# Altium PCB MillingLight.PcbDoc
Units mm, origin at the board's own origin, x right, y up, seen from the top; angles counter-clockwise.
Board outline 122 x 104 mm, 2 copper layers (Top Layer, Bottom Layer); 59 components, 51 nets, 126 pads, 0 vias.
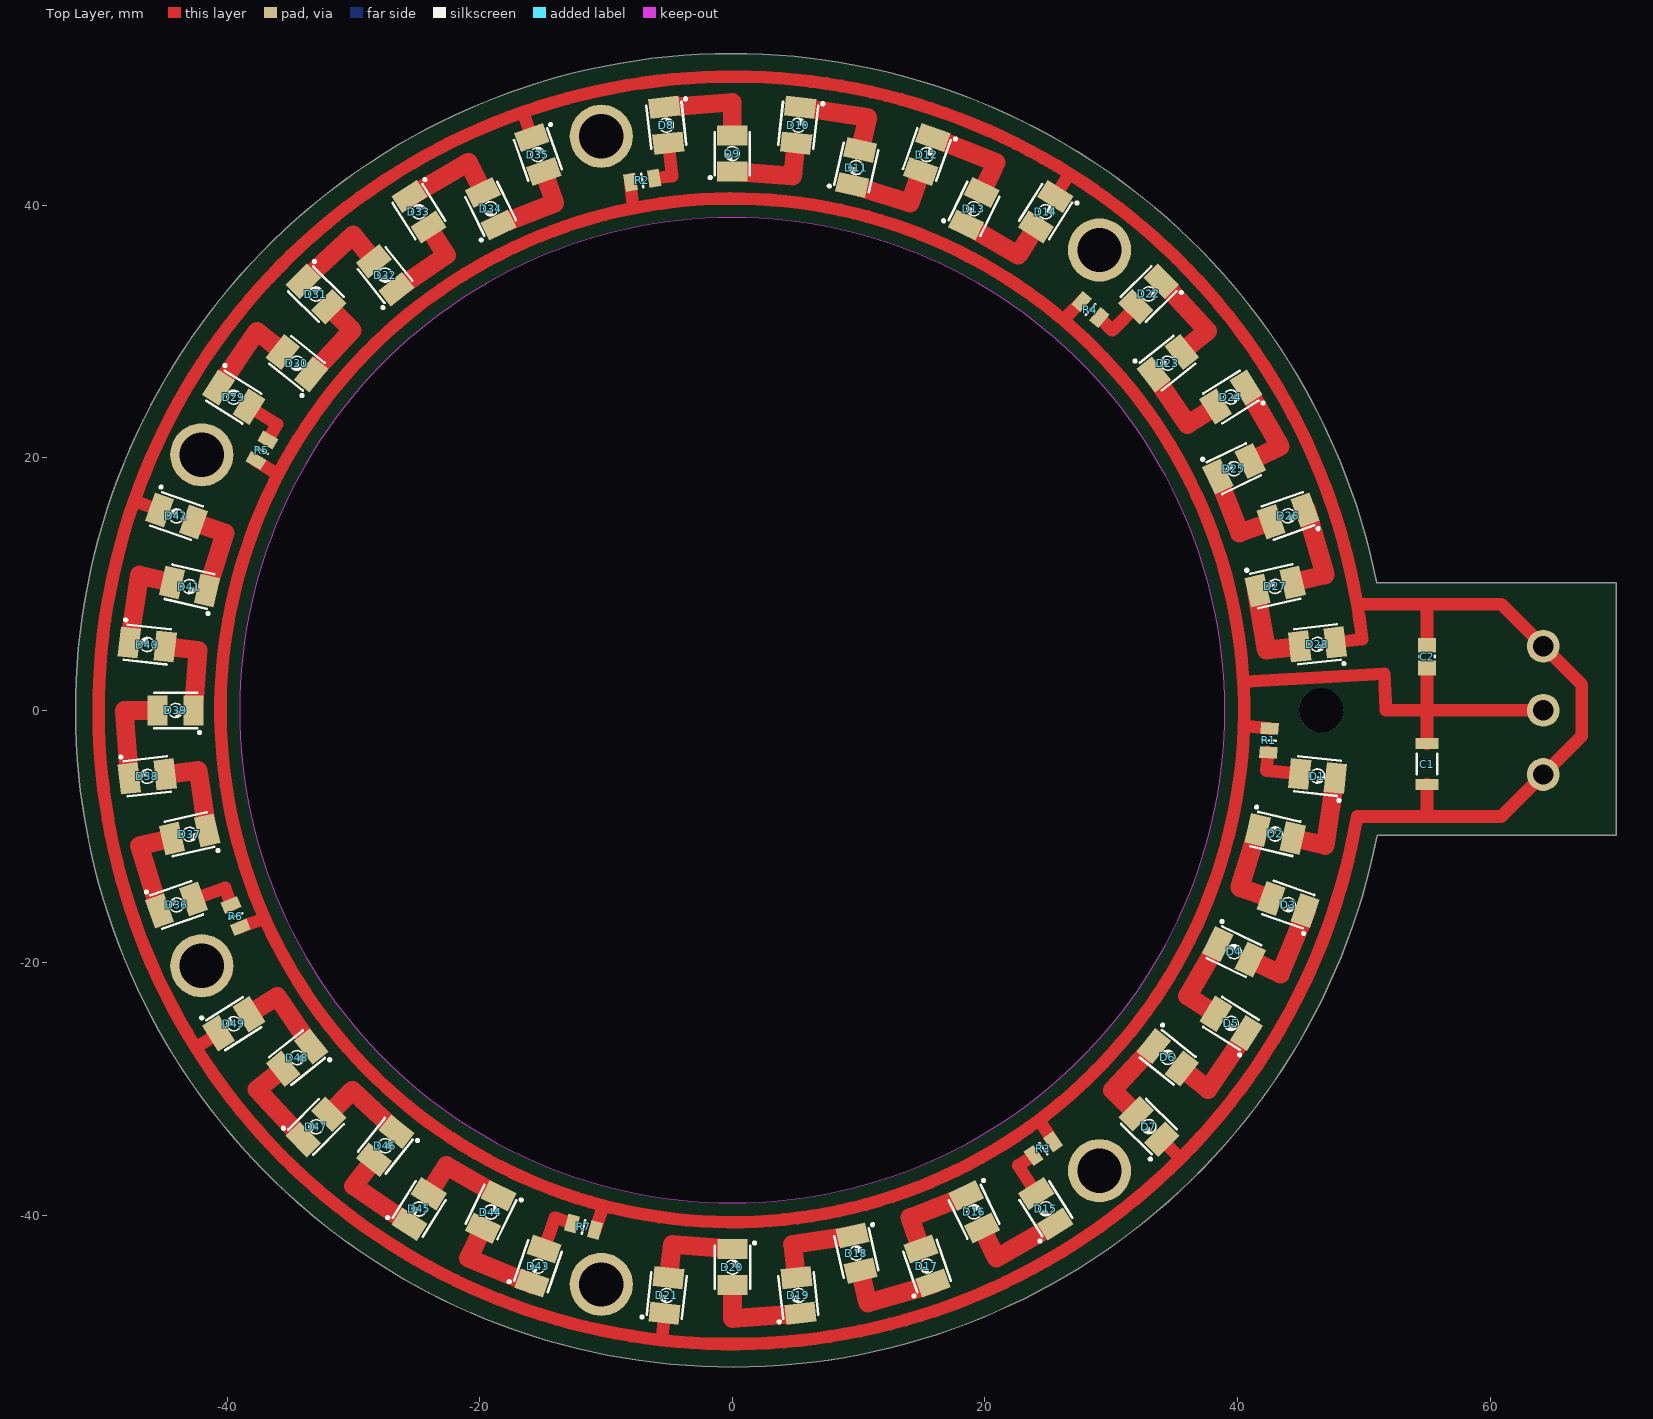
[diagram p0: Top Layer view]
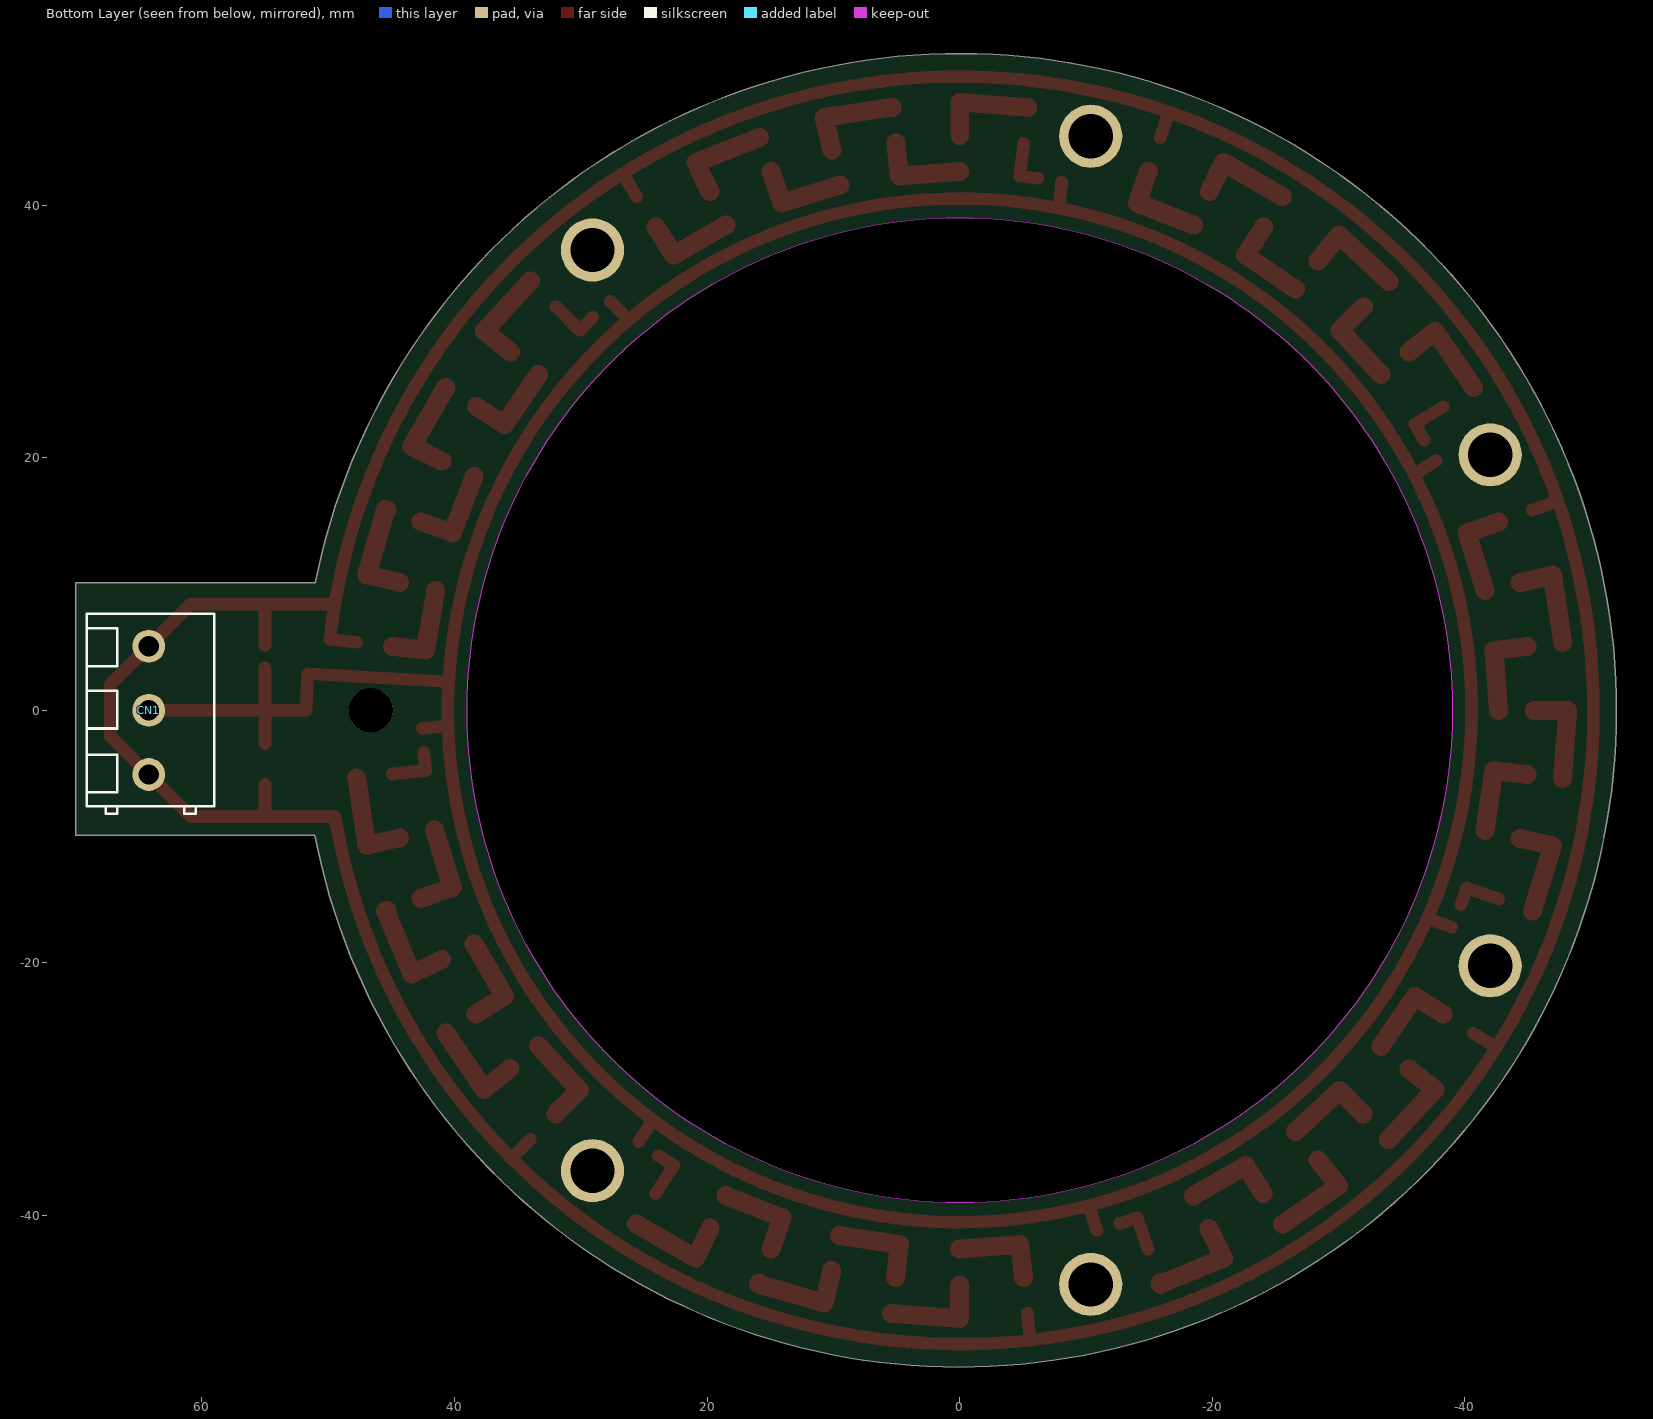
[diagram p1: Bottom Layer view, seen from below]

## Layer stack, top to bottom
Top Solder: solder mask 0.0102, Solder Resist, Dk 3.5
Top Layer: signal copper 0.0356
Dielectric 1: dielectric 0.32, FR-4, Dk 4.8
Bottom Layer: signal copper 0.0356
Bottom Solder: solder mask 0.0102, Solder Resist, Dk 3.5

## Board outline
51.049,-9.9 cw(c0,0) 51.01,10.097 51.025,10.1 70,10.1 70,-9.9
cut-out: 0,39 ccw(c0,0) -39,0 ccw(c0,0) 0,-39 ccw(c0,0) 39,0 ccw(c0,0)

## Design rules (kind name [scope] priority, off if disabled: settings)
Clearance [All] p1: gap=0.254 ignorepadtopadclearanceinfootprint=FALSE except(0: Arc-Hole Track-Hole SMDPad-Hole THPad-Hole Via-Hole Fill-Hole Poly-Hole Region-Hole Text-Hole)
ComponentClearance [All] p1: gap=0.124 collisioncheckmode=3 verticalgap=0.124 showdistances=FALSE
PolygonConnect [All] p1: connectstyle=Relief reliefconductorwidth=0.254 reliefentries=4 polygonreliefangle="90 Angle" airgapwidth=0.254
RoutingVias [All] p1: holewidth=0.711 width=1.27 viastyle="Through Hole" minholewidth=0.711 minwidth=1.27 maxholewidth=0.711 maxwidth=1.27
SolderMaskExpansion [All] p1: expansion=0.102
Width [All] p1: maxlimit=2 minlimit=0.254 preferedwidth=0.254
29 further rules are at their usual default settings.

## Components (designator, comment, footprint, x,y, rotation, side; value= is the part's Value field where it differs from the comment)
C1 "CAP" CAPC3216X18N 55,-4.25 r90 top
C2 "CAP" CAPC2012X125N 55,4.25 r270 top
CN1 "CN_1X3F" CN_WURTH_691216510003 64.2,5.08 r270 bottom
D1 "DIO_LED" DIO_Kento_KT-SMD3528-W 46.329,-5.201 r173.6 top locked
D2 "DIO_LED" DIO_Kento_KT-SMD3528-W 42.979,-9.791 r347.17 top locked
D3 "DIO_LED" DIO_Kento_KT-SMD3528-W 44.01,-15.38 r160.74 top locked
D4 "DIO_LED" DIO_Kento_KT-SMD3528-W 39.722,-19.11 r334.31 top locked
D5 "DIO_LED" DIO_Kento_KT-SMD3528-W 39.484,-24.788 r147.88 top locked
D6 "DIO_LED" DIO_Kento_KT-SMD3528-W 34.473,-27.471 r321.45 top locked
D7 "DIO_LED" DIO_Kento_KT-SMD3528-W 32.977,-32.953 r135.02 top locked
D8 "DIO_LED" DIO_Kento_KT-SMD3528-W -5.225,46.326 r276.43 top locked
D9 "DIO_LED" DIO_Kento_KT-SMD3528-W -0.005,44.08 r90.01 top locked
D10 "DIO_LED" DIO_Kento_KT-SMD3528-W 5.215,46.327 r263.58 top locked
D11 "DIO_LED" DIO_Kento_KT-SMD3528-W 9.805,42.976 r77.15 top locked
D12 "DIO_LED" DIO_Kento_KT-SMD3528-W 15.394,44.005 r250.72 top locked
D13 "DIO_LED" DIO_Kento_KT-SMD3528-W 19.123,39.716 r64.29 top locked
D14 "DIO_LED" DIO_Kento_KT-SMD3528-W 24.801,39.476 r237.86 top locked
D15 "DIO_LED" DIO_Kento_KT-SMD3528-W 24.817,-39.466 r122.16 top locked
D16 "DIO_LED" DIO_Kento_KT-SMD3528-W 19.139,-39.708 r295.73 top locked
D17 "DIO_LED" DIO_Kento_KT-SMD3528-W 15.412,-43.999 r109.31 top locked
D18 "DIO_LED" DIO_Kento_KT-SMD3528-W 9.823,-42.972 r282.88 top locked
D19 "DIO_LED" DIO_Kento_KT-SMD3528-W 5.235,-46.325 r96.45 top locked
D20 "DIO_LED" DIO_Kento_KT-SMD3528-W 0.014,-44.08 r270.02 top locked
D21 "DIO_LED" DIO_Kento_KT-SMD3528-W -5.206,-46.328 r83.59 top locked
D22 "DIO_LED" DIO_Kento_KT-SMD3528-W 32.964,32.967 r225 top locked
D23 "DIO_LED" DIO_Kento_KT-SMD3528-W 34.462,27.485 r38.57 top locked
D24 "DIO_LED" DIO_Kento_KT-SMD3528-W 39.473,24.805 r212.15 top locked
D25 "DIO_LED" DIO_Kento_KT-SMD3528-W 39.714,19.127 r25.72 top locked
D26 "DIO_LED" DIO_Kento_KT-SMD3528-W 44.003,15.399 r199.29 top locked
D27 "DIO_LED" DIO_Kento_KT-SMD3528-W 42.975,9.809 r12.86 top locked
D28 "DIO_LED" DIO_Kento_KT-SMD3528-W 46.327,5.22 r186.43 top locked
D29 "DIO_LED" DIO_Kento_KT-SMD3528-W -39.479,24.797 r327.87 top locked
D30 "DIO_LED" DIO_Kento_KT-SMD3528-W -34.468,27.478 r141.44 top locked
D31 "DIO_LED" DIO_Kento_KT-SMD3528-W -32.97,32.96 r315.01 top locked
D32 "DIO_LED" DIO_Kento_KT-SMD3528-W -27.489,34.459 r128.58 top locked
D33 "DIO_LED" DIO_Kento_KT-SMD3528-W -24.809,39.471 r302.15 top locked
D34 "DIO_LED" DIO_Kento_KT-SMD3528-W -19.131,39.712 r115.72 top locked
D35 "DIO_LED" DIO_Kento_KT-SMD3528-W -15.403,44.002 r289.29 top locked
D36 "DIO_LED" DIO_Kento_KT-SMD3528-W -44,-15.408 r19.3 top locked
D37 "DIO_LED" DIO_Kento_KT-SMD3528-W -42.973,-9.818 r192.87 top locked
D38 "DIO_LED" DIO_Kento_KT-SMD3528-W -46.326,-5.23 r6.44 top locked
D39 "DIO_LED" DIO_Kento_KT-SMD3528-W -44.08,-0.009 r180.01 top locked
D40 "DIO_LED" DIO_Kento_KT-SMD3528-W -46.328,5.21 r353.58 top locked
D41 "DIO_LED" DIO_Kento_KT-SMD3528-W -42.977,9.8 r167.15 top locked
D42 "DIO_LED" DIO_Kento_KT-SMD3528-W -44.007,15.389 r340.73 top locked
D43 "DIO_LED" DIO_Kento_KT-SMD3528-W -15.385,-44.008 r70.73 top locked
D44 "DIO_LED" DIO_Kento_KT-SMD3528-W -19.114,-39.72 r244.3 top locked
D45 "DIO_LED" DIO_Kento_KT-SMD3528-W -24.792,-39.481 r57.87 top locked
D46 "DIO_LED" DIO_Kento_KT-SMD3528-W -27.474,-34.471 r231.44 top locked
D47 "DIO_LED" DIO_Kento_KT-SMD3528-W -32.957,-32.974 r45.01 top locked
D48 "DIO_LED" DIO_Kento_KT-SMD3528-W -34.456,-27.492 r218.59 top locked
D49 "DIO_LED" DIO_Kento_KT-SMD3528-W -39.468,-24.813 r32.16 top locked
R1 "RES" RESC2012X60N 42.489,-2.386 r266.79 top
R2 "RES" RESC2012X60N -7.128,41.955 r9.64 top
R3 "RES" RESC2012X60N 24.626,-34.707 r215.36 top
R4 "RES" RESC2012X60N 28.357,31.732 r318.21 top
R5 "RES" RESC2012X60N -37.246,20.585 r59.88 top
R6 "RES" RESC2012X60N -39.317,-16.285 r112.5 top
R7 "RES" RESC2012X60N -11.781,-40.893 r163.93 top

## Footprints (in the part's own frame and the unit in brackets; to place one, negate y for a bottom-side part, rotate by r counter-clockwise, add the part's x,y. Pads: shape width x height; smd on the part's side, far side on the other; paste and mask are expansions set on the pad)
CAPC2012X125N [mm]
  rect 1.15x1.45 smd: 1(-0.9,0) 2(0.9,0)
  silkscreen extent -0.05,-0.62 0.05,0.63, body extent -1.1,-0.72 1.1,0.73, height 1.25
CAPC3216X18N [mm] "Chip Capacitor, 2-Leads, Body 3,20x1,60mm, IPC Medium Density"
  rect 0.9x1.8 smd: 1(-1.625,0) 2(1.625,0)
  silkscreen extent -0.8,-0.8 0.8,0.8, body extent -1.7,-0.9 1.7,0.9, height 1.8
CN_WURTH_691216510003 [mm]
  round 2.6 hole 1.6: 1(0,0) 2(5.08,0) 3(10.16,0)
  silkscreen extent -2.58,-4.9 13.26,5.2, body extent -2.58,-4.9 13.26,5.2, height 13.8
DIO_Kento_KT-SMD3528-W [mm]
  rect 1.6x2.4 smd: 1(-1.425,0) 2(1.425,0)
  silkscreen extent -1.96,-1.4 1.7,1.8, body extent -1.75,-1.4 1.75,1.4, height 1.85
RESC2012X60N [mm]
  rect 0.95x1.4 smd: 1(-0.95,0) 2(0.95,0)
  silkscreen extent 0,-0.55 0,0.55, body extent -1,-0.62 1,0.63, height 0.6

## Part data
C1: library part 01_01488, "CAP, MLCC, X5R, 10UF, 50V, 1206", Manufacturer=Murata, Manufacturer PN=GRM31CR61H106KA12L, Supplier Part Number 1=1845762, Value1=10u, Value2=50V, AutoId=1488, ComponentLink1Description=Datasheet, ComponentLink1URL=X:\01_dataSheets\CAP_MURATA_GRM.pdf, DeviceType=capacitor, Id=01_01488, MountType=SMD, Status="0 - Unchecked", SubType=Ceramic, Supplier 1=Farnell
C2: library part 01_01396, "X7R 10% 0805", Manufacturer=KEMET, Manufacturer PN=C0805C105K5RACTU, Supplier Part Number 1=2118131, Value1=1u, Value2=50V, AutoId=1396, ComponentLink1Description=Datasheet, ComponentLink1URL=X:\01_Datasheets\CAP_KEMET_CxxxxCxxxXxRAC.pdf, DeviceType=capacitor, Id=01_01396, MountType=SMT, Status="2 - Checked and Approved", SubType=Ceramic, Supplier 1=Farnell
CN1: library part 02_00091, "WURTH ELEKTRONIK 691216510003 - T/BLOCK, 5,08mm 3W", Manufacturer=Wurth, Manufacturer PN=691216510003, Supplier Part Number 1=1841253, Value1="3 pin", AutoId=91, ComponentLink1Description=Datasheet, ComponentLink1URL=X:\01_dataSheets\CN_WURTH_69121651000x.pdf, ComponentLink2Description=ComponentVerificationSheet, ComponentLink2URL=X:\02_ComponentVerificationSheets\, DeviceType=Connector_3, Id=02_00091, MountType=THT, Status="0 - Unchecked", Supplier 1=Farnell
D1 D2 D3 D4 D5 D6 D7 D8 D9 D10 D11 D12 D13 D14 D15 D16 D17 D18 D19 D20 D21 D22 D23 D24 D25 D26 D27 D28 D29 D30 D31 D32 D33 D34 D35 D36 D37 D38 D39 D40 D41 D42 D43 D44 D45 D46 D47 D48 D49: library part 03_00093, "High Luminous PLCC2 Power Top SMD LED", Manufacturer=Kento, Manufacturer PN=KT-SMD3528-W, Supplier Part Number 1=86399, Value2="2,8..3,5V  2000...2200 mcd", Value3=LED, AutoId=109, ComponentLink1Description=Datasheet, ComponentLink1URL=X:\01_Datasheets\, ComponentLink2Description=ComponentVerificationSheet, ComponentLink2URL=X:\02_ComponentVerificationSheets\, DeviceType=diode, Id=03_00093, MountType=SMD, Status="0 - Unchecked", SubType=LED, Supplier 1=rcs, Value1=KT-SMD3528-W
R1 R2 R3 R4 R5 R6 R7: library part 15_00305, "RESISTOR, 0805, 10R, 1%, SMD", Manufacturer=Yageo, Manufacturer PN=RC0805FR-0710R, Value1=10R, Value2=0W125, AutoId=305, ComponentLink1Description=Datasheet, ComponentLink1URL=X:\01_Datasheets\RES_YAGEO_RC0805FR.pdf, DeviceType=resistor, Id=15_00305, MountType=SMT, Status="0 - Unchecked", SubType="Metal film", Supplier 1=Farnell

## Free pads (board coordinates)
  round 5 hole 3.5: ""(-42.003,-20.228) ""(-42.003,20.228) ""(-10.374,-45.451) ""(-10.374,45.451) ""(29.067,-36.449) ""(29.067,36.449)
  round 3.5 hole 3.5: ""(46.62,0)

## Nets (pads, with @x,y where several pads share a name; then routed paths per layer and width w, separated by ;. In a path a pad name is that pad's centre, name@x,y a point inside that pad or via, vN(x,y) a via of type N, cw(c..) or ccw(c..) an arc to the next point about the centre after c; other vN are vias at no path point)
GND: C1.1 C2.1 CN1.1 CN1.3 D7.1 D14.1 D21.1 D28.1 D35.1 D42.1 D49.1 | length 367.1
  Top Layer w1: D42.1 -47.363,16.563 ; D49.1 -42.479,-26.706 ; D35.1 -16.578,47.358 ; D21.1 -5.603,-49.862 ; D14.1 26.692,42.487 ; D7.1 35.493,-35.467 ; D28.1 49.86,5.618 ccw(c0,0) 49.467,8.405 ; C1.1 55,-8.155 54.75,-8.405 ; C2.1 55,8.405 ; CN1.3@64.35,-5.23 CN1.3@64.5,-5.08 ; -47.363,16.563 cw(c0,0) -16.578,47.358 ; -47.363,16.563 ccw(c0,0) -42.479,-26.706 ; -42.479,-26.706 ccw(c0,0) -5.603,-49.862 ; -16.578,47.358 cw(c0,0) 26.692,42.487 ; -5.603,-49.862 ccw(c0,0) 35.493,-35.467 ; 26.692,42.487 cw(c0,0) 49.467,8.405 ; 35.493,-35.467 ccw(c0,0) 49.467,-8.405 54.75,-8.405 ; 49.467,8.405 55,8.405 ; 54.75,-8.405 60.875,-8.405 CN1.3 67.25,-2.03 67.25,2.03 CN1.1 60.875,8.405 55,8.405
NetD1_1: D1.1 D2.2 | length 8
  Top Layer w1.5: D2.2 46.941,-10.694 D1.1
NetD1_2: D1.2 R1.2 | length 4.1
  Top Layer w1: R1.2 42.288,-4.765 D1.2
NetD2_1: D2.1 D3.2 | length 7.4
  Top Layer w1.5: D2.1 40.173,-14.039 D3.2
NetD3_1: D3.1 D4.2 | length 8.1
  Top Layer w1.5: D4.2 43.384,-20.872 45.446,-15.888 45.449,-15.883 D3.1
NetD4_1: D4.1 D5.2 | length 7.4
  Top Layer w1.5: D5.2 36.042,-22.627 D4.1
NetD5_1: D5.1 D6.2 | length 8
  Top Layer w1.5: D6.2 37.652,-30.003 D5.1
NetD6_1: D6.1 D7.2 | length 7.4
  Top Layer w1.5: D7.2 30.103,-30.081 D6.1
NetD8_1: D8.1 D9.2 | length 8
  Top Layer w1.5: D8.1 -0.005,48.144 D9.2
NetD8_2: D8.2 R2.2 | length 4.1
  Top Layer w1: R2.2 -4.765,42.288 D8.2
NetD9_1: D9.1 D10.2 | length 7.4
  Top Layer w1.5: D9.1 4.761,42.289 D10.2
NetD10_1: D10.1 D11.2 | length 8
  Top Layer w1.5: D10.1 10.709,46.938 D11.2
NetD11_1: D11.1 D12.2 | length 7.4
  Top Layer w1.5: D11.1 14.052,40.169 D12.2
NetD12_1: D12.1 D13.2 | length 7.9
  Top Layer w1.5: D12.1 20.886,43.378 20.665,42.92 D13.2@19.784,41.089
NetD13_1: D13.1 D14.2 | length 7.4
  Top Layer w1.5: D13.1 22.639,36.035 D14.2
NetD15_1: D15.1 D16.2 | length 8
  Top Layer w1.5: D16.2 20.683,-42.911 20.904,-43.369 D15.1
NetD15_2: D15.2 R3.2 | length 4.1
  Top Layer w1: R3.2 22.641,-36.033 D15.2
NetD16_1: D16.1 D17.2 | length 7.4
  Top Layer w1.5: D17.2 14.069,-40.163 D16.1
NetD17_1: D17.1 D18.2 | length 8.1
  Top Layer w1.5: D18.2 10.728,-46.933 15.911,-45.439 15.916,-45.437 D17.1
NetD18_1: D18.1 D19.2 | length 7.4
  Top Layer w1.5: D19.2 4.778,-42.287 D18.1
NetD19_1: D19.1 D20.2 | length 8
  Top Layer w1.5: D20.2 0.015,-48.144 D19.1
NetD20_1: D20.1 D21.2 | length 7.4
  Top Layer w1.5: D21.2 -4.752,-42.29 D20.1
NetD22_1: D22.1 D23.2 | length 8
  Top Layer w1.5: D22.1 37.639,30.019 D23.2
NetD22_2: D22.2 R4.2 | length 4.1
  Top Layer w1: R4.2 30.08,30.084 D22.2
NetD23_1: D23.1 D24.2 | length 7.4
  Top Layer w1.5: D23.1 36.032,22.643 D24.2
NetD24_1: D24.1 D25.2 | length 8
  Top Layer w1.5: D24.1 43.376,20.89 42.918,20.67 D25.2
NetD25_1: D25.1 D26.2 | length 7.4
  Top Layer w1.5: D25.1 40.168,14.056 D26.2
NetD26_1: D26.1 D27.2 | length 8.1
  Top Layer w1.5: D27.2 46.937,10.714 45.444,15.897 45.442,15.902 D26.1
NetD27_1: D27.1 D28.2 | length 7.4
  Top Layer w1.5: D27.1@41.489,9.47 42.288,4.765 D28.2
NetD29_1: D29.1 D30.2 | length 8
  Top Layer w1.5: D29.1 -37.645,30.011 D30.2
NetD29_2: D29.2 R5.2 | length 4.1
  Top Layer w1: D29.2 -36.033,22.641 R5.2
NetD30_1: D30.1 D31.2 | length 7.4
  Top Layer w1.5: D30.1 -30.096,30.087 D31.2
NetD31_1: D31.1 D32.2 | length 8
  Top Layer w1.5: D31.1 -30.023,37.636 D32.2
NetD32_1: D32.1 D33.2 | length 7.4
  Top Layer w1.5: D32.1 -22.646,36.03 D33.2
NetD33_1: D33.1 D34.2 | length 7.9
  Top Layer w1.5: D33.1 -20.895,43.373 -20.674,42.916 D34.2@-19.792,41.085
NetD34_1: D34.1 D35.2 | length 7.4
  Top Layer w1.5: D34.1 -14.06,40.166 D35.2
NetD36_1: D36.1 D37.2 | length 8
  Top Layer w1.5: D36.1 -46.935,-10.724 D37.2
NetD36_2: D36.2 R6.2 | length 4.1
  Top Layer w1: D36.2 -40.168,-14.055 R6.2
NetD37_1: D37.1 D38.2 | length 7.4
  Top Layer w1.5: D38.2 -42.287,-4.774 D37.1
NetD38_1: D38.1 D39.2 | length 8
  Top Layer w1.5: D38.1 -48.144,-0.01 D39.2
NetD39_1: D39.1 D40.2 | length 7.4
  Top Layer w1.5: D40.2 -42.289,4.756 D39.1
NetD40_1: D40.1 D41.2 | length 8
  Top Layer w1.5: D40.1 -46.939,10.704 D41.2
NetD41_1: D41.1 D42.2 | length 7.4
  Top Layer w1.5: D42.2 -40.171,14.048 D41.1
NetD43_1: D43.1 D44.2 | length 8.1
  Top Layer w1.5: D44.2 -20.877,-43.382 -15.893,-45.445 -15.888,-45.447 D43.1
NetD43_2: D43.2 R7.2 | length 4.1
  Top Layer w1: D43.2 -14.055,-40.168 R7.2
NetD44_1: D44.1 D45.2 | length 7.4
  Top Layer w1.5: D45.2 -22.631,-36.039 D44.1
NetD45_1: D45.1 D46.2 | length 8
  Top Layer w1.5: D46.2 -30.007,-37.649 D45.1
NetD46_1: D46.1 D47.2 | length 7.4
  Top Layer w1.5: D47.2 -30.084,-30.1 D46.1
NetD47_1: D47.1 D48.2 | length 8
  Top Layer w1.5: D48.2 -37.633,-30.027 D47.1
NetD48_1: D48.1 D49.2 | length 7.4
  Top Layer w1.5: D49.2 -36.028,-22.65 D48.1
VCC: C1.2 C2.2 CN1.2 R1.1 R2.1 R3.1 R4.1 R5.1 R6.1 R7.1 | length 301.8
  Top Layer w1: R6.1 -37.022,-16.479 ; R5.1 -35.968,18.668 ; R7.1 -10.201,-39.219 ; R2.1 -7.832,39.76 ; R3.1 24.301,-32.43 ; R4.1 26.2,30.916 ; R1.1 40.506,-1.223 ; C1.2 55,0 ; C2.2 55,0 ; CN1.2@64.5,0 CN1.2 55,0 ; -37.022,-16.479 cw(c0,0) -36.514,17.576 cw(c0,0) -35.968,18.668 ; -37.022,-16.479 ccw(c0,0) -36.507,-17.591 ccw(c0,0) -10.201,-39.219 ; -35.968,18.668 cw(c0,0) -9.022,39.507 cw(c0,0) -7.832,39.76 ; -10.201,-39.219 ccw(c0,0) -9.006,-39.511 ccw(c0,0) 24.301,-32.43 ; -7.832,39.76 cw(c0,0) 25.264,31.684 cw(c0,0) 26.2,30.916 ; 24.301,-32.43 ccw(c0,0) 25.278,-31.674 ccw(c0,0) 40.498,-1.438 ccw(c0,0) 40.506,-1.223 ; 26.2,30.916 cw(c0,0) 40.46,2.272 ; 40.46,2.272 cw(c0,0) 40.524,0 cw(c0,0) 40.506,-1.223 ; 40.46,2.272 51.619,2.899 51.75,0 55,0

## Silkscreen, mask and mechanical layers (free items; w line width, h text height)
Mechanical 1:
  circle w0.254: c0,0 r39
  lines w0.254: 51.01,10.097 ccw(c0,0) 51.049,-9.9 ; 51.025,10.1 70,10.1 70,-9.9 51.05,-9.9

## Dimensions
-52,0 to 70,-9.9 on Top Overlay
0,52 to 0,-52 on Top Overlay
51.049,-9.9 to 70,-9.9 on Top Overlay
70,10.1 to 70,-9.9 on Top Overlay
0,0 to -13,14.5 on Top Overlay
0,0 to -23.75,-1.25 on Top Overlay